# Altium PCB LimeSDR_1v2.PcbDoc (part 4 of 9) (continued)
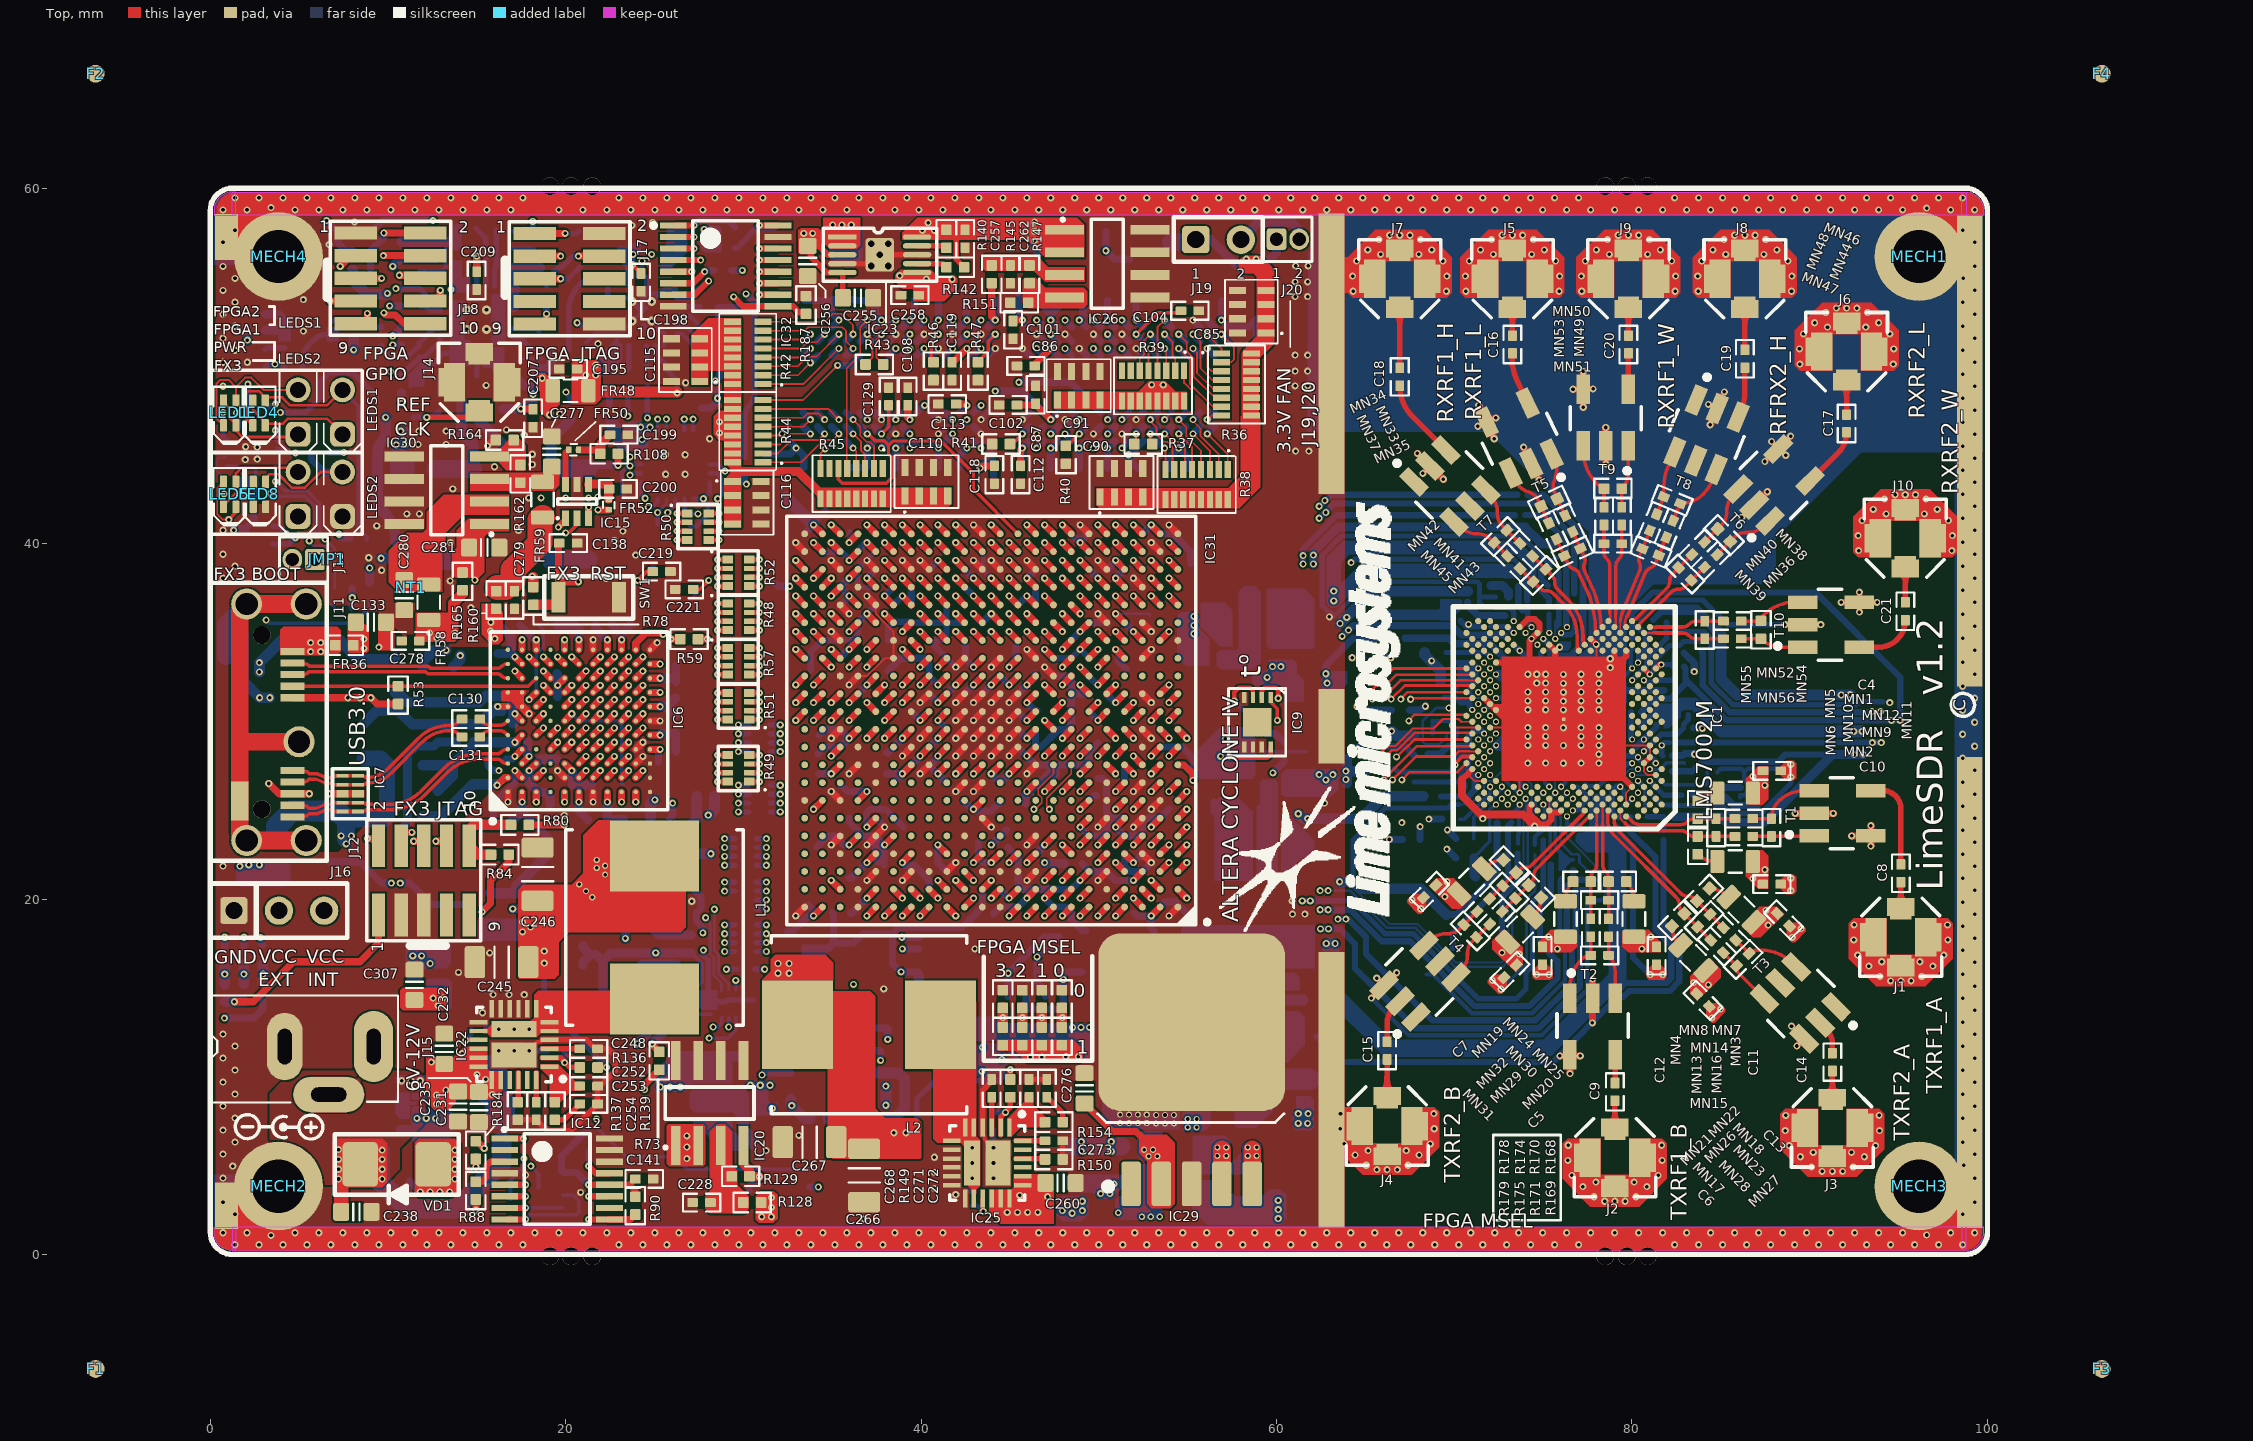
[diagram p0: Top view]
## Nets (pads, with @x,y where several pads share a name; then routed paths per layer and width w, separated by ;. In a path a pad name is that pad's centre, name@x,y a point inside that pad or via, vN(x,y) a via of type N, cw(c..) or ccw(c..) an arc to the next point about the centre after c; other vN are vias at no path point) (continued)
FPGA_GPIO5: IC31.G3 J18.8 | length 88.6
  Top w0.4: J18.8@12.1,53.65 12.95,53.65 v1(12.95,54.25) ; v2(51.95,25.05) IC31.G3@52.45,25.55
  L9 w0.1: v1(12.95,54.25) 12.5,53.8 12.5,51.775 13.4,50.875 22.225,50.875 22.8,50.3 30.533,50.3 33.958,53.725 34.124,53.725 57.481,53.725 58.675,52.531 58.675,35.305 54.97,31.6 52.005,31.6 49.6,29.195 49.59,29.195 48.6,28.205 48.6,27.905 50.905,25.6 51.188,25.6 51.738,25.05 v2(51.95,25.05)
FPGA_GPIO6: IC31.F2 J18.9 | length 92.1
  Top w0.4: J18.9@8.2,52.375 8.65,52.375 8.85,52.575 v1(8.85,52.95) ; v2(52.95,24.05) IC31.F2@53.45,24.55
  L9 w0.1: v1(8.85,52.95) 9.175,52.625 11.367,52.625 13.342,50.65 22.025,50.65 22.575,50.1 30.616,50.1 34.041,53.525 57.399,53.525 58.475,52.449 58.475,35.388 55.487,32.4 51.805,32.4 48.3,28.895 48.3,27.205 48.9,26.605 49.183,26.605 50.388,25.4 51.105,25.4 52.455,24.05 v2(52.95,24.05)
FPGA_GPIO7: IC31.F1 J18.10 | length 92.7
  Top w0.4: v1(9.775,52.975) 9.9,52.85 10.425,52.85 10.9,52.375 J18.10@12.1,52.375 ; IC31.F1@54.45,24.55 v2(54.95,25.05)
  L9 w0.1: v1(9.775,52.975) 10.275,52.975 12.275,54.975 15.8,54.975 19.175,51.6 21.97,51.6 23.07,50.5 30.45,50.5 33.875,53.925 57.564,53.925 58.875,52.614 58.875,35.222 55.053,31.4 52.795,31.4 52.095,30.7 51.539,30.7 50.2,29.361 50.2,28.305 51.105,27.4 52.86,25.645 54.355,25.645 v2(54.95,25.05)
FPGA_I2C_SCL: IC31.H7 R72.2 | length 60.4
  Top w0.4: v2(47.95,26.05) IC31.H7@48.45,26.55
  L9 w0.1: v1(17.65,5.4) 17.075,5.975 17.075,6.758 19.642,9.325 23.722,9.325 24.572,10.175 27.492,10.175 34.725,17.408 34.725,19.083 33.4,20.408 33.4,23.05 31.725,24.725 31.725,26.545 31.93,26.75 32.589,26.75 34.6,28.761 34.6,29.195 34.805,29.4 35.475,29.4 35.675,29.6 36.439,29.6 37.6,30.761 37.6,31.195 37.805,31.4 38.095,31.4 38.345,31.15 38.345,30.716 39.661,29.4 40.095,29.4 40.3,29.195 40.3,26.875 40.775,26.4 45.1,26.4 45.9,25.6 46.578,25.6 46.778,25.4 47.3,25.4 v2(47.95,26.05)
  Bottom w0.2: R72.2@16.9,3.125 16.9,4.191 17.65,4.941 v1(17.65,5.4)
FPGA_I2C_SDA: IC31.J7 R70.2 | length 58.7
  Top w0.1: v2(47.225,25.05) 47.075,25.2 47.075,25.67 48.45,27.045 IC31.J7@48.45,27.55
  L9 w0.1: v1(18.05,4.975) 18.05,5.605 17.275,6.38 17.275,6.675 19.725,9.125 23.805,9.125 24.655,9.975 27.575,9.975 34.925,17.325 34.925,19.166 33.6,20.491 33.6,23.491 32.6,24.491 32.6,26.478 34.722,28.6 34.995,28.6 35.516,29.121 35.516,29.159 35.758,29.4 36.522,29.4 37.722,30.6 38.178,30.6 39.5,29.278 39.5,26.983 40.858,25.625 43.2,25.625 43.425,25.4 46.495,25.4 46.845,25.05 v2(47.225,25.05)
  Bottom w0.2: v1(18.05,4.975) 18.475,4.55 R70.2@18.475,3.75
FPGA_JTAG_TCK: IC31.L2 J17.1 R180.1 | length 77.1
  Top w0.4: J17.1@18.525,57.45 v1(19.975,57.45) ; IC31.L2@53.45,29.55 v2(53.95,29.05)
  L9 w0.1: v1(19.975,57.45) 20.075,57.35 20.075,56.03 19.325,55.28 19.325,54.8 19.575,54.55 20.442,54.55 23.492,51.5 30.036,51.5 33.461,54.925 33.626,54.925 37.55,54.925 38.129,54.925 38.629,55.425 42.033,55.425 42.508,54.95 57.953,54.95 59.875,53.028 59.875,34.808 54.75,29.683 54.75,29.675 54.125,29.05 v2(53.95,29.05)
  Bottom w0.3: v1(19.975,57.45) 20.625,57.45 R180.1@20.75,57.575
FPGA_JTAG_TDI: IC31.L5 J17.9 R177.1 | length 73.9
  Top w0.4: J17.9@18.925,52.55 v1(18.925,52.925) ; IC31.L5@50.45,29.55 v2(50.95,29.05)
  L9 w0.1: v1(18.925,52.925) 21.501,52.925 23.326,51.1 30.201,51.1 33.626,54.525 57.813,54.525 59.475,52.863 59.475,34.974 54.35,29.849 54.35,29.841 54.109,29.6 52.375,29.6 52.2,29.425 51.325,29.425 v2(50.95,29.05)
  Bottom w0.4: v1(18.925,52.925) R177.1@18.925,53.5
FPGA_JTAG_TDO: IC31.L4 J17.3 | length 76.6
  Top w0.4: J17.3@18.275,56.175 v1(19.725,56.175) ; IC31.L4@51.45,29.55 v2(51.95,29.05)
  L9 w0.1: v1(19.725,56.175) 19.125,55.575 19.125,54.717 19.492,54.35 20.359,54.35 23.409,51.3 30.119,51.3 33.544,54.725 38.875,54.725 39.655,54.725 40.155,55.225 41.95,55.225 42.425,54.75 57.871,54.75 59.675,52.946 59.675,34.891 54.55,29.766 54.55,29.758 54.192,29.4 52.458,29.4 52.108,29.05 v2(51.95,29.05)
FPGA_JTAG_TMS: IC31.L1 J17.5 R176.1 | length 75.5
  Top w0.4: J17.5@18.275,54.9 v1(19.725,54.9) ; IC31.L1@54.45,29.55 v2(54.95,29.05)
  L9 w0.1: v1(19.725,54.9) 20.375,54.9 23.575,51.7 29.953,51.7 35.608,57.355 38.349,57.355 40.079,55.625 42.116,55.625 42.591,55.15 58.036,55.15 60.075,53.111 60.075,34.725 54.95,29.6 v2(54.95,29.05)
  Bottom w0.3: v1(19.725,54.9) 20.15,54.9 R176.1@20.8,55.55
FPGA_LED1_G: IC31.D2 R126.1 | length 72.9
  Top w0.4: IC31.D2@53.45,22.55 v2(53.95,23.05)
  L8 w0.1: v1(4.8,40.325) 4.525,40.05 4.075,40.05 3.65,39.625 3.65,38.608 4.333,37.925 7.979,37.925 15.8,30.104 15.8,25.913 18.188,23.525 22.449,23.525 23.6,22.374 23.6,20.467 29.567,14.5 38.6,14.5 43.575,19.475 43.575,20.18 45.795,22.4 46.805,22.4 48.03,23.625 53.375,23.625 v2(53.95,23.05)
  Bottom w0.2: R126.1@3.525,39.975 R126.1@3.525,40.05
  Bottom w0.3: R126.1@3.525,39.975 4.45,39.975 v1(4.8,40.325)
FPGA_LED1_R: IC31.E3 LED1.2 LED1.3 LEDS1.K1 | length 82.6
  Top w0.15: LED1.2@0.75,48.05 0.75,47.957 1.1,47.607 1.1,47.068 1.45,46.718 LED1.3@1.45,46.65 1.45,46.35 1.8,46 4.8,46 LEDS1.K1@4.95,46.15
  Top w0.4: v2(51.95,23.05) IC31.E3@52.45,23.55
  L8 w0.1: LEDS1.K1@4.95,46.125 5.8,45.275 5.8,43.673 5.302,43.175 4.625,43.175 3.25,41.8 3.25,38.442 4.157,37.535 4.157,32.624 6.031,30.75 10.397,30.75 18.022,23.125 22.283,23.125 23.2,22.208 23.2,20.301 29.401,14.1 38.778,14.1 44.5,19.822 44.5,20.192 45.783,21.475 47.35,21.475 48.575,22.7 51.6,22.7 v2(51.95,23.05)
FPGA_LED2_G: IC31.J4 R127.1 | length 76.2
  Top w0.4: IC31.J4@51.45,27.55 v2(51.95,27.05)
  L8 w0.1: v1(7.25,40.525) 7.043,40.525 6.768,40.8 5.65,40.8 5.225,40.375 5.225,40.1 4.975,39.85 4.158,39.85 3.85,39.542 3.85,38.691 4.403,38.138 8.049,38.138 16.725,29.462 16.725,27.15 17.1,26.775 17.1,24.896 18.271,23.725 22.532,23.725 23.8,22.457 23.8,20.55 29.65,14.7 36.225,14.7 36.55,15.025 36.55,19.145 36.805,19.4 37.125,19.4 38.325,20.6 39.392,20.6 45.192,26.4 47.805,26.4 48.805,27.4 49.095,27.4 49.87,26.625 51.525,26.625 v2(51.95,27.05)
  Bottom w0.4: v1@7.25,40.475 7.4,40.325 R127.1@7.875,40.325
FPGA_LED2_R: IC31.E1 LED4.2 LED4.3 LEDS1.K2 | length 90.4
  Top w0.15: LED4.2@2.4,48.05 2.4,47.55 3.1,46.85 LED4.3@3.1,46.75 ; LED4.3@3.1,46.65 LED4.3@3.1,46.75 ; LEDS1.K2@7.45,46.15 6.575,47.025 4.383,47.025 4.108,46.75 LED4.3@3.1,46.75
  Top w0.4: IC31.E1@54.45,23.55 v2(54.95,24.05)
  L8 w0.1: LEDS1.K2@7.45,46.125 6.55,47.025 4.378,47.025 4.178,46.825 4.175,46.825 4.025,46.675 4.025,42.9 3.05,41.925 3.05,38.359 3.957,37.452 3.957,32.541 5.949,30.55 10.314,30.55 17.939,22.925 22.2,22.925 23,22.125 23,20.219 29.319,13.9 38.861,13.9 44.586,19.625 45.03,19.625 45.805,20.4 46.795,20.4 48.795,22.4 51.805,22.4 52.005,22.6 53.995,22.6 54.95,23.555 v2(54.95,24.05)
FPGA_NCONFIG: IC31.K5 R66.2 R67.2 | length 149.6
  Top w0.4: v2(49.95,28.05) IC31.K5@50.45,28.55
  L9 w0.1: v1(1.9,15.775) 1.926,15.775 5.025,18.874 5.025,19.875 3.947,20.953 3.947,23.691 4.425,24.169 4.425,26.775 6.032,28.382 6.032,29.28 4.112,31.2 4.112,37.966 3.85,38.228 3.85,42.175 4.65,42.975 5.385,42.975 6,43.59 6,46.79 5.59,47.2 5.175,47.2 4.075,48.3 4.075,48.977 6,50.902 6,53.992 6.975,54.967 6.975,55.745 7.78,56.55 18.558,56.55 19.808,57.8 20.12,57.8 20.325,57.595 20.325,55.233 23.658,51.9 29.87,51.9 35.525,57.555 38.432,57.555 40.162,55.825 42.199,55.825 42.674,55.35 58.119,55.35 60.275,53.194 60.275,35.459 61.05,34.684 61.05,30.525 55.125,24.6 54.8,24.6 53.955,25.445 52.333,25.445 52.178,25.6 51.754,25.6 51.5,25.854 51.5,26.278 51.178,26.6 50.683,26.6 49.95,27.333 v2(49.95,28.05)
  Bottom w0.6: R66.2@1.9,15.25 R67.2@1.9,16.3
FPGA_NSTATUS: IC31.K6 R65.2 R68.2 | length 152
  Top w0.4: v2(48.95,28.05) IC31.K6@49.4,28.5
  L9 w0.1: v1(0.825,15.775) 2.326,17.276 3.144,17.276 4.825,18.956 4.825,19.792 3.747,20.87 3.747,23.774 4.225,24.251 4.225,28.083 3.912,28.395 3.912,37.883 3.65,38.145 3.65,42.258 4.567,43.175 5.302,43.175 5.8,43.673 5.8,46.707 5.507,47 5.092,47 3.875,48.217 3.875,49.06 5.8,50.985 5.8,54.075 6.775,55.05 6.775,55.828 7.697,56.75 18.475,56.75 19.725,58 20.203,58 21.075,57.128 21.075,54.766 22.928,52.913 23.916,52.913 24.15,52.678 24.15,52.475 24.525,52.1 29.787,52.1 34.675,56.988 34.675,58.07 34.88,58.275 36.22,58.275 36.74,57.755 38.515,57.755 40.245,56.025 42.281,56.025 42.756,55.55 58.202,55.55 60.475,53.277 60.475,35.542 61.25,34.767 61.25,30.442 55.208,24.4 52.883,24.4 52.3,24.983 52.3,25.195 52.095,25.4 51.671,25.4 51.3,25.771 51.3,26.195 51.095,26.4 50.6,26.4 v2(48.95,28.05)
  Bottom w0.6: R65.2@0.825,15.225 R68.2@0.825,16.3
FPGA_SPI0_LMS_SS: IC31.D10 R10.2 | length 23.4
  Top w0.4: v2(44.95,22.05) IC31.D10@45.45,22.55
  L10 w0.1: v2(44.95,22.05) 45.4,22.5 47.895,22.5 48.795,23.4 66.3,23.4 v1(66.35,23.35)
  Bottom w0.4: v1(66.35,23.35) R10.2@67.075,23.35
FPGA_SPI0_MISO: IC31.C8 R13.2 | length 26.4
  Top w0.4: v2(46.95,21.05) IC31.C8@47.45,21.55
  L10 w0.1: v2(46.95,21.05) 47.3,21.4 55.125,21.4 55.85,22.125 69.395,22.125 69.975,22.705 69.975,23.525 v1(69.612,23.888)
  Bottom w0.4: v1(69.612,23.888) R13.2@70.1,23.4
FPGA_SPI0_MOSI: IC31.D7 R12.2 | length 22.7
  Top w0.4: v2(47.95,23.05) IC31.D7@48.45,22.55
  L10 w0.1: v2(47.95,23.05) 48.6,23.7 67.2,23.7 68,24.5 v1(68.575,24.5)
  Bottom w0.4: v1(68.575,24.5) R12.2@69.3,24.5
FPGA_SPI0_SCLK: IC31.E6 R11.2 | length 22.3
  Top w0.4: v2(48.95,23.05) IC31.E6@49.45,23.55
  L10 w0.1: v2(48.95,23.05) 49.35,22.65 69.425,22.65 v1(69.587,22.813)
  Bottom w0.4: v1(69.587,22.813) R11.2@70.1,22.3
FPGA_SPI1_ADF_SS: IC31.J5 R121.1 | length 74.4
  Top w0.4: IC31.J5@50.45,27.55 v2(50.95,27.05)
  L8 w0.1: v1(10.1,53.375) 10.925,52.55 10.925,49.775 9.525,48.375 9.525,45.883 13.483,41.925 20.15,41.925 21.325,43.1 27.505,43.1 28.83,44.425 29.918,44.425 33.643,40.7 34.125,40.7 34.55,40.275 34.55,39.85 34.8,39.6 35.178,39.6 35.6,39.178 35.6,38.905 36.35,38.155 36.35,35.45 39.125,32.675 54.225,32.675 54.55,32.35 54.55,29.725 54.25,29.425 53.8,29.425 53.6,29.225 53.6,28.725 53.275,28.4 52.805,28.4 52.6,28.195 52.6,27.905 53.3,27.205 53.3,26.905 53.095,26.7 52.795,26.7 52.095,27.4 51.3,27.4 v2(50.95,27.05)
  Bottom w0.4: v1(10.1,53.375) R121.1@10.775,53.375
FPGA_SPI1_DAC_SS: IC15.1 IC31.J3 | length 63.9
  Top w0.4: v1(19.6,40.925) 20,41.325 IC15.1@20,41.425 ; v1(51.95,28.05) IC31.J3@52.45,27.55
  L8 w0.1: v1(19.6,40.925) 19.2,40.525 19.2,31.067 19.5,30.767 19.5,30.275 19.2,29.975 19.2,29.48 19.505,29.175 19.695,29.175 19.9,28.97 19.9,27.08 19.6,26.78 19.6,25.314 19.805,25.109 20.011,25.109 21.195,23.925 22.615,23.925 24,22.54 24,20.633 27.158,17.475 27.895,17.475 28.97,16.4 29.195,16.4 30.695,14.9 35.133,14.9 35.85,15.617 35.85,19.792 36.558,20.5 37.622,20.5 38.822,21.7 39.105,21.7 44.805,27.4 45.805,27.4 46.805,28.4 51.6,28.4 v1(51.95,28.05)
FPGA_SPI1_MOSI: IC15.3 IC31.L8 R120.1 | length 50.6
  Top w0.4: IC15.3@21.3,41.4 IC15.3@21.3,41.425 v1(21.3,42.05) ; v2(46.95,30.05) IC31.L8@47.45,29.55
  L9 w0.1: v1(10.275,51.675) 14.825,47.125 17.508,47.125 19.875,44.758 19.875,43.475 v1(21.3,42.05) 21.3,39.85 23.95,37.2 31.305,37.2 32.905,35.6 36.25,35.6 37.65,34.2 37.65,33.55 38.6,32.6 38.6,31.905 39.005,31.5 44.995,31.5 46.445,30.05 v2(46.95,30.05)
  Bottom w0.4: v1(10.275,51.675) 10.775,52.175 R120.1@10.775,52.275
FPGA_SPI1_SCLK: IC15.2 IC31.K8 R119.1 | length 58
  Top w0.2: v1@20.05,40.625 20.2,40.625 20.65,41.075 IC15.2@20.65,41.425
  Top w0.4: v2(46.95,28.05) IC31.K8@47.45,28.55
  L9 w0.1: v1(10.275,51.175) 14.525,46.925 17.425,46.925 19.65,44.7 19.65,42.4 20,42.05 v1(20,40.6) 20.3,40.6 21.1,39.8 21.1,39.767 23.892,36.975 28.695,36.975 28.925,36.745 28.925,35.35 29.6,34.675 36.892,34.675 37.45,34.117 37.45,33.467 38.4,32.517 38.4,31.378 38.545,31.233 38.545,30.799 39.743,29.6 40.178,29.6 40.5,29.278 40.5,26.958 40.858,26.6 45.905,26.6 46.805,25.7 47.095,25.7 47.3,25.905 47.3,26.5 47.15,26.65 47.15,27.85 v2(46.95,28.05)
  Bottom w0.4: v1(10.275,51.175) R119.1@10.775,51.175
FPGA_UART_RX: IC31.J1 R71.2 | length 41.2
  Top w0.4: IC31.J1@54.45,27.55 54.8,27.55 55.3,27.05 v2(55.3,26.675)
  L10 w0.1: v1(27.725,18.1) 27.375,17.75 27.375,17.005 30.18,14.2 36.445,14.2 42.845,20.6 44.1,20.6 44.55,21.05 44.55,22.145 45.105,22.7 47.105,22.7 48.805,24.4 49.095,24.4 53.805,24.4 55.3,25.895 v2(55.3,26.675)
  Bottom w0.4: R71.2@27.025,20.725 27.625,20.125 27.625,19.475 27.359,19.209 27.359,18.759 27.725,18.393 v1(27.725,18.1)
FPGA_UART_TX: IC31.J8 R73.2 | length 47.5
  Top w0.1: v2(46.35,25.05) 46.431,25.05 46.79,25.409 46.79,25.715 46.6,25.905 46.6,26.195 47.45,27.045 IC31.J8@47.45,27.55
  Top w0.4: v2(24.45,9.275) 24.45,9.575 R73.2@25.275,10.4
  L9 w0.1: v2(24.45,9.275) 24.95,9.775 27.658,9.775 35.125,17.242 35.125,19.249 33.8,20.574 33.8,23.574 32.8,24.574 32.8,26.395 34.805,28.4 35.795,28.4 36.135,28.74 36.145,28.74 37.805,30.4 38.095,30.4 39.3,29.195 39.3,26.9 40.775,25.425 43.117,25.425 43.492,25.05 v2(46.35,25.05)
FX3_CTL0: IC31.L6 R60.2 | length 28
  Top w0.4: v2(48.95,29.05) IC31.L6@49.45,29.55
  L8 w0.1: v1(31.2,16.05) 31.2,15.475 31.575,15.1 35.05,15.1 35.65,15.7 35.65,19.875 36.475,20.7 37.105,20.7 38.805,22.4 44.905,28.5 46.325,28.5 46.525,28.7 48.6,28.7 v2(48.95,29.05)
  Bottom w0.3: R60.2@30.625,16.05 v1(31.2,16.05)
FX3_CTL1: IC31.L7 R61.2 | length 27.4
  Top w0.4: v2(47.95,29.05) IC31.L7@48.45,29.55
  L8 w0.1: v1(31.3,17.05) 31.575,16.775 31.575,15.625 31.825,15.375 34.875,15.375 35.15,15.65 35.15,19.755 44.095,28.7 46.175,28.7 46.525,29.05 v2(47.95,29.05)
  Bottom w0.3: R61.2@30.725,17.05 v1(31.3,17.05)
FX3_CTL2: IC31.M1 R61.4 | length 29.3
  Top w0.4: v2(53.95,30.05) IC31.M1@54.45,30.55
  L8 w0.1: v1(31.3,17.55) 32.228,17.55 33.5,18.822 33.5,19.095 43.805,29.4 52.9,29.4 53.55,30.05 v2(53.95,30.05)
  Bottom w0.3: R61.4@30.725,17.55 v1(31.3,17.55)
FX3_CTL3: IC31.M2 R61.6 | length 28.7
  Top w0.4: v2(52.95,30.05) IC31.M2@53.45,30.55
  L8 w0.1: v1(31.3,18.05) 32.445,18.05 33.3,18.905 33.3,19.9 43,29.6 52.8,29.6 52.95,29.75 v2(52.95,30.05)
  Bottom w0.3: R61.6@30.725,18.05 v1(31.3,18.05)
FX3_CTL4: IC31.M3 R61.8 | length 27.9
  Top w0.4: v2(51.95,30.05) IC31.M3@52.45,30.55
  L8 w0.1: v1(31.3,18.55) 32.237,18.55 32.55,18.862 32.55,20.145 42.805,30.4 49.625,30.4 50.095,30.4 50.695,29.8 51.7,29.8 v2(51.95,30.05)
  Bottom w0.3: R61.8@30.725,18.55 v1(31.3,18.55)
FX3_CTL5: IC31.M4 R62.2 | length 27.6
  Top w0.4: IC31.M4@51.45,30.55 v2(51.95,31.05)
  L8 w0.1: v1(31.3,21.9) 31.583,21.9 36.5,26.817 36.5,29.095 39.105,31.7 51.3,31.7 v2(51.95,31.05)
  Bottom w0.3: R62.2@30.725,21.9 v1(31.3,21.9)
FX3_CTL6: IC31.M6 R62.4 | length 27.9
  Top w0.4: IC31.M6@49.45,30.55 v2(49.95,31.05)
  L4 w0.1: v1(31.3,22.4) 31.075,22.625 30.425,22.625 30.15,22.35 30.15,21.575 30.425,21.3 31.445,21.3 32.095,20.65 34.045,20.65 42.095,28.7 46.812,28.7 47.812,29.7 48.35,29.7 48.85,30.2 49.1,30.2 v2(49.95,31.05)
  Bottom w0.3: R62.4@30.725,22.4 v1(31.3,22.4)
FX3_CTL7: IC31.M7 R62.6 | length 27.5
  Top w0.4: v2(47.95,30.05) IC31.M7@48.45,30.55
  L4 w0.1: v1(31.3,22.9) 31.675,22.525 31.7,22.525 32.1,22.525 cw(c32.1,22.125) 32.5,22.125 32.5,21.798 ccw(c32.9,21.798) 32.9,21.398 ccw(c32.9,21.798) 33.3,21.798 33.3,22.125 cw(c33.7,22.125) 33.7,22.525 34.93,22.525 44.105,31.7 44.2,31.7 44.775,31.7 45.175,31.7 cw(c45.175,31.3) 45.575,31.3 45.575,30.8 ccw(c45.975,30.8) 45.975,30.4 ccw(c45.975,30.8) 46.375,30.8 46.375,31.3 cw(c46.775,31.3) 46.775,31.7 47.375,31.7 47.6,31.475 47.6,31.205 47.075,30.68 47.075,30.425 47.6,29.9 47.8,29.9 v2(47.95,30.05)
  Bottom w0.3: R62.6@30.725,22.9 v1(31.3,22.9)
FX3_CTL8: IC31.M8 R62.8 | length 28.8
  Top w0.4: IC31.M8@47.45,30.55 v2(47.95,31.05)
  L4 w0.1: v1(31.3,23.4) 31.35,23.4 ccw(c31.35,23.8) 31.75,23.8 cw(c32.15,23.8) 32.15,24.2 cw(c32.15,23.8) 32.55,23.8 32.55,23.4 32.55,22.8 ccw(c32.95,22.8) 32.95,22.4 ccw(c32.95,22.8) 33.35,22.8 33.35,23 cw(c33.75,23) 33.75,23.4 34.795,23.4 44.095,32.7 47.805,32.7 48.6,31.905 49.3,31.205 49.3,30.683 49.017,30.4 48.225,30.4 47.95,30.675 v2(47.95,31.05)
  Bottom w0.3: R62.8@30.725,23.4 v1(31.3,23.4)
FX3_CTL9: IC31.N1 R63.2 | length 29.2
  Top w0.4: v2(53.95,31.05) IC31.N1@54.45,31.55
  L8 w0.1: v1(31.3,19.45) 31.875,20.025 31.875,20.47 42.005,30.6 49.753,30.6 50.178,30.6 50.378,30.4 53.3,30.4 v2(53.95,31.05)
  Bottom w0.3: R63.2@30.725,19.45 v1(31.3,19.45)
FX3_CTL10: IC31.N2 R63.4 | length 30.1
  Top w0.4: IC31.N2@53.45,31.55 v2(53.95,32.05)
  L8 w0.1: v1(31.3,19.95) 31.345,19.95 31.65,20.255 31.65,21.245 41.805,31.4 49.553,31.4 50.095,31.4 50.795,30.7 52.105,30.7 53.455,32.05 v2(53.95,32.05)
  Bottom w0.3: R63.4@30.725,19.95 v1(31.3,19.95)
FX3_CTL11: IC31.N5 R63.6 | length 27.7
  Top w0.4: IC31.N5@50.45,31.55 v2(50.95,32.05)
  L4 w0.1: v1(31.3,20.45) 34.855,20.45 40.005,25.6 40.9,25.6 41.175,25.6 cw(c41.175,25.2) 41.575,25.2 41.575,24.8 ccw(c41.975,24.8) 41.975,24.4 ccw(c41.975,24.8) 42.375,24.8 42.375,25.2 cw(c42.775,25.2) 42.775,25.6 43.995,25.6 44.3,25.905 47.895,29.5 48.433,29.5 48.908,29.975 49.37,29.975 50.3,30.905 50.3,31.4 v2(50.95,32.05)
  Bottom w0.3: R63.6@30.725,20.45 v1(31.3,20.45)
FX3_CTL12: IC31.N6 R63.8 | length 29.2
  Top w0.4: v2(48.95,32.05) IC31.N6@49.45,31.55
  L4 w0.1: v1(31.3,20.95) 30.4,20.95 29.95,21.4 29.95,24.1 30.25,24.4 34.805,24.4 43.805,33.4 48.095,33.4 48.3,33.195 48.3,32.7 v2(48.95,32.05)
  Bottom w0.3: R63.8@30.725,20.95 v1(31.3,20.95)
FX3_DQ0: IC31.M19 R48.2 | length 12.3
  Top w0.3: R48.2@30.325,36.625 v1(30.9,36.625)
  Top w0.4: v2(35.95,30.05) IC31.M19@36.45,30.55
  L3 w0.1: v1(30.9,36.625) 34.87,36.625 35.575,35.92 35.575,30.425 v2(35.95,30.05)
FX3_DQ1: IC31.AA21 R48.4 | length 11.5
  Top w0.3: R48.4@30.325,36.125 v1(30.9,36.125)
  Top w0.4: v2(33.95,40.05) IC31.AA21@34.45,39.55
  L8 w0.1: v1(30.9,36.125) 32.325,34.7 34.095,34.7 35.3,35.905 35.3,38.205 33.95,39.555 v2(33.95,40.05)
FX3_DQ2: IC31.Y22 R48.6 | length 12
  Top w0.3: R48.6@30.325,35.625 v1(30.9,35.625)
  Top w0.4: v2(32.95,39.05) IC31.Y22@33.45,38.55
  L4 w0.1: v1@30.925,35.65 31.25,35.325 31.25,34.583 32.358,33.475 33.975,33.475 34.4,33.9 34.4,37.095 33.575,37.92 33.575,38.425 v2(32.95,39.05)
FX3_DQ3: IC31.Y21 R48.8 | length 12
  Top w0.3: R48.8@30.325,35.125 v1(30.9,35.125)
  Top w0.4: v2(33.95,38.05) IC31.Y21@34.45,38.55
  L4 w0.1: v1(30.9,35.125) 30.9,34.65 32.925,32.625 34.45,32.625 34.6,32.775 34.6,37.622 34.172,38.05 v2(33.95,38.05)
FX3_DQ4: IC31.W22 R50.2 | length 11.1
  Top w0.3: R50.2@28.05,41.7 v1(28.625,41.7)
  Top w0.4: v2(32.95,38.05) IC31.W22@33.45,37.55
  L8 w0.1: v1(28.625,41.7) 28.275,41.35 28.275,40.055 28.48,39.85 28.77,39.85 30.47,41.55 31.375,41.55 32.4,40.525 32.4,38.6 v2(32.95,38.05)
FX3_DQ5: IC31.W21 R50.4 | length 11.3
  Top w0.3: R50.4@28.05,41.2 v1(28.625,41.2)
  Top w0.4: IC31.W21@34.45,37.55 v2(34.95,38.05)
  L8 w0.1: v1(28.625,41.2) 28.625,41.205 28.975,41.555 28.975,42.475 29.375,42.875 30.903,42.875 33.6,40.178 33.6,39.4 v2(34.95,38.05)
FX3_DQ6: IC31.W20 R50.6 | length 11.1
  Top w0.3: R50.6@28.05,40.7 v1(28.625,40.7)
  Top w0.4: v2(34.95,37.05) IC31.W20@35.45,37.55
  L8 w0.1: v1(28.625,40.7) 29.925,42 31.495,42 33.4,40.095 33.4,39.095 34.95,37.545 v2(34.95,37.05)
FX3_DQ7: IC31.V22 R50.8 | length 11.1
  Top w0.3: R50.8@28.05,40.2 v1(28.625,40.2)
  Top w0.4: v2(32.95,37.05) IC31.V22@33.45,36.55
  L8 w0.1: v1(28.625,40.2) 28.625,40.205 30.22,41.8 31.408,41.8 32.6,40.608 32.6,38.895 33.625,37.87 33.625,37.22 33.6,37.195 33.6,37.175 33.325,36.9 33.1,36.9 v2(32.95,37.05)
FX3_DQ8: IC31.V21 R52.2 | length 11.1
  Top w0.3: R52.2@30.325,39.1 v1(30.9,39.1)
  Top w0.4: v2(33.95,37.05) IC31.V21@34.45,36.55
  L8 w0.1: v1(30.9,39.1) 30.175,39.825 30.175,40.875 30.525,41.225 31.417,41.225 32.2,40.442 32.2,37.305 32.805,36.7 33.6,36.7 v2(33.95,37.05)
FX3_DQ9: IC31.U22 R52.4 | length 11.1
  Top w0.3: R52.4@30.325,38.6 v1(30.9,38.6)
  Top w0.4: v2(32.95,36.05) IC31.U22@33.45,35.55
  L8 w0.1: v1(30.9,38.6) 30.9,38.595 30.55,38.245 30.55,37.942 28.9,36.292 28.9,35.6 29.175,35.325 30.4,35.325 30.55,35.475 30.55,36.77 30.755,36.975 31.964,36.975 32.889,36.05 v2(32.95,36.05)
FX3_DQ10: IC31.U21 R52.6 | length 11.3
  Top w0.3: R52.6@30.325,38.1 v1(30.9,38.1)
  Top w0.4: v2(33.95,36.05) IC31.U21@34.45,35.55
  L8 w0.1: v1(30.9,38.1) 30.9,38.105 31.25,38.455 31.25,39.25 30.4,40.1 30.4,40.35 30.65,40.6 31.575,40.6 32,40.175 32,37.222 32.822,36.4 33.095,36.4 33.445,36.05 v2(33.95,36.05)
FX3_DQ11: IC31.U20 R52.8 | length 11.1
  Top w0.3: R52.8@30.325,37.6 v1(30.9,37.6)
  Top w0.4: v2(34.95,36.05) IC31.U20@35.45,35.55
  L9 w0.1: v1(30.9,37.6) 31.4,38.1 31.4,38.975 31.6,39.175 32.3,39.175 32.775,38.7 34.795,38.7 36.55,36.945 36.55,36.725 36.3,36.475 35.375,36.475 v2(34.95,36.05)
FX3_DQ12: IC31.U19 R57.2 | length 12.2
  Top w0.3: R57.2@30.325,34.125 v1(30.9,34.125)
  Top w0.4: v2(35.95,35.05) IC31.U19@36.45,35.55
  L4 w0.1: v1(30.9,34.125) 31.25,33.775 31.25,32.7 31.525,32.425 34.83,32.425 36.005,33.6 37.25,33.6 37.45,33.8 37.45,34.525 37.275,34.7 36.3,34.7 v2(35.95,35.05)
FX3_DQ13: IC31.M22 R57.4 | length 11.1
  Top w0.3: R57.4@30.325,33.625 v1(30.9,33.625)
  Top w0.4: v2(32.95,30.05) IC31.M22@33.45,30.55
  L8 w0.1: v1(30.9,33.625) 29.8,33.625 28.9,32.725 28.9,31.225 29.525,30.6 29.9,30.6 30.45,31.15 30.45,31.725 30.675,31.95 31.05,31.95 v2(32.95,30.05)
FX3_DQ14: IC31.M21 R57.6 | length 11.3
  Top w0.3: R57.6@30.325,33.125 v1(30.9,33.125)
  Top w0.4: v2(33.95,30.05) IC31.M21@34.45,30.55
  L8 w0.1: v1(30.9,33.125) 30.9,33.12 30.55,32.77 30.55,32.48 30.755,32.275 32.22,32.275 32.345,32.4 35.325,32.4 35.575,32.15 35.575,31.65 35.325,31.4 33.805,31.4 33.6,31.195 33.6,30.4 v2(33.95,30.05)
FX3_DQ15: IC31.R22 R57.8 | length 11.1
  Top w0.3: R57.8@30.325,32.625 v1(30.9,32.625)
  Top w0.4: v2(32.95,34.05) IC31.R22@33.45,33.55
  L8 w0.1: v1(30.9,32.625) 36.125,32.625 36.4,32.9 36.4,33.35 36.05,33.7 33.3,33.7 v2(32.95,34.05)
FX3_DQ16: IC31.R21 R49.1 | length 11
  Top w0.3: R49.1@30.325,26.6 v1(30.9,26.6)
  Top w0.4: IC31.R21@34.45,33.55 v2(34.95,33.05)
  L9 w0.1: v1(30.9,26.6) 32.425,28.125 32.425,29.945 31.925,30.445 31.925,31.237 32.288,31.6 32.825,31.6 33.025,31.4 33.825,31.4 34.6,32.175 34.6,32.7 v2(34.95,33.05)
FX3_DQ17: IC31.R20 R49.3 | length 11.1
  Top w0.3: R49.3@30.325,27.1 v1(30.9,27.1)
  Top w0.4: v2(34.95,34.05) IC31.R20@35.45,33.55
  L9 w0.1: v1(30.9,27.1) 30.55,27.45 30.55,28.245 31.325,29.02 31.325,31.92 33.455,34.05 v2(34.95,34.05)
FX3_DQ18: IC31.R19 R49.5 | length 10.8
  Top w0.3: R49.5@30.325,27.6 v1(30.9,27.6)
  Top w0.4: v2(35.95,33.05) IC31.R19@36.45,33.55
  L9 w0.1: v1(30.9,27.6) 31.225,27.6 31.725,28.1 31.725,31.32 33.855,33.45 35.55,33.45 v2(35.95,33.05)
FX3_DQ19: IC31.R18 R49.7 | length 11.4
  Top w0.3: R49.7@30.325,28.1 v1(30.9,28.1)
  Top w0.4: v2(36.95,33.05) IC31.R18@37.45,33.55
  L9 w0.1: v1(30.9,28.1) 31.525,28.725 31.525,31.403 33.772,33.65 36.35,33.65 v2(36.95,33.05)
FX3_DQ20: IC31.P22 R51.1 | length 11.9
  Top w0.3: R51.1@30.325,30.1 v1(30.9,30.1)
  Top w0.4: v2(32.95,32.05) IC31.P22@33.45,32.55
  L4 w0.1: v1(30.9,30.1) 28.95,32.05 28.95,34 29.25,34.3 30.2,34.3 30.55,33.95 30.55,32.48 30.805,32.225 32.775,32.225 v2(32.95,32.05)
FX3_DQ21: IC31.P21 R51.3 | length 12.2
  Top w0.3: R51.3@30.325,30.6 v1(30.9,30.6)
  Top w0.4: v2(33.95,32.05) IC31.P21@34.45,32.55
  L3 w0.1: v1(30.9,30.6) 31.77,30.6 32.67,29.7 35.095,29.7 35.35,29.955 35.35,33.15 34.95,33.55 34.35,33.55 33.95,33.15 v2(33.95,32.05)
FX3_DQ22: IC31.M20 R51.5 | length 12
  Top w0.3: R51.5@30.325,31.1 v1(30.9,31.1)
  Top w0.4: v2(34.95,30.05) IC31.M20@35.45,30.55
  L4 w0.1: v1(30.9,31.1) 31.125,31.1 31.25,30.975 31.25,29.95 31.05,29.75 30.65,29.75 30.475,29.575 30.475,28.625 30.65,28.45 31.575,28.45 31.725,28.6 31.725,30.525 31.9,30.7 34.95,30.7 35.1,30.55 35.1,30.2 v2(34.95,30.05)
FX3_DQ23: IC31.P16 R51.7 | length 12.2
  Top w0.3: R51.7@30.325,31.6 v1(30.9,31.6)
  Top w0.4: v2(38.95,32.05) IC31.P16@39.45,32.55
  L4 w0.1: v1(30.9,31.6) 31,31.5 34.9,31.5 36.8,33.4 39.2,33.4 39.55,33.05 39.55,32.65 v2(38.95,32.05)
FX3_DQ24: IC31.P15 R55.1 | length 11.8
  Top w0.4: v2(39.95,32.05) IC31.P15@40.45,32.55
  L4 w0.1: v1(32.075,26.4) 34.795,26.4 39.3,30.905 39.3,31.4 v2(39.95,32.05)
  Bottom w0.3: R55.1@31.5,26.4 v1(32.075,26.4)
FX3_DQ25: IC31.N22 R55.3 | length 11.5
  Top w0.4: v2(32.95,31.05) IC31.N22@33.45,31.55
  L8 w0.1: v1(32.075,25.9) 31.825,25.65 30.65,25.65 30.1,26.2 30.1,27.795 30.675,28.37 30.675,29.325 31.5,30.15 32.22,30.15 32.67,29.7 33.095,29.7 33.3,29.905 33.3,30.7 v2(32.95,31.05)
  Bottom w0.3: R55.3@31.5,25.9 v1(32.075,25.9)
FX3_DQ26: IC31.N21 R55.5 | length 11.7
  Top w0.4: v2(33.95,31.05) IC31.N21@34.45,31.55
  L8 w0.1: v1(32.075,25.4) 32.425,25.75 32.425,26.7 ccw(c32.121,26.7) 32.121,27.004 31.713,27.004 cw(c31.713,27.308) 31.409,27.308 cw(c31.713,27.308) 31.713,27.612 32.425,27.612 33.137,27.612 ccw(c33.137,27.916) 33.441,27.916 ccw(c33.137,27.916) 33.137,28.22 32.729,28.22 cw(c32.729,28.524) 32.425,28.524 ; 32.425,28.525 32.425,28.747 33.378,29.7 34.105,29.7 34.3,29.895 34.3,30.7 v2(33.95,31.05)
  Bottom w0.3: R55.5@31.5,25.4 v1(32.075,25.4)
FX3_DQ27: IC31.N20 R55.7 | length 11.5
  Top w0.4: v2(34.95,31.05) IC31.N20@35.45,31.55
  L8 w0.1: v1(32.075,24.9) 32.275,24.7 34.1,24.7 36.3,26.9 36.3,30.195 35.445,31.05 v2(34.95,31.05)
  Bottom w0.3: R55.7@31.5,24.9 v1(32.075,24.9)
FX3_DQ28: IC31.N19 R58.1 | length 11.9
  Top w0.4: v2(35.95,31.05) IC31.N19@36.45,31.55
  L3 w0.1: v1(32.075,29.8) 32.375,29.5 37.95,29.5 38.3,29.85 38.3,31.225 37.95,31.575 36.475,31.575 v2(35.95,31.05)
  Bottom w0.3: R58.1@31.5,29.8 v1(32.075,29.8)
FX3_DQ29: IC31.N18 R58.3 | length 11.5
  Top w0.4: IC31.N18@37.45,31.55 v2(37.95,32.05)
  L4 w0.1: v1(32.075,29.3) 32.195,29.3 33.22,28.275 33.67,28.275 34.795,29.4 36.075,29.4 36.35,29.675 36.35,32.425 36.625,32.7 37.625,32.7 37.95,32.375 v2(37.95,32.05)
  Bottom w0.3: R58.3@31.5,29.3 v1(32.075,29.3)
FX3_DQ30: IC31.N17 R58.5 | length 11.5
  Top w0.4: v2(37.95,31.05) IC31.N17@38.45,31.55
  L4 w0.1: v1(32.075,28.8) 32.375,28.8 32.475,28.7 32.475,27.65 32.725,27.4 34.425,27.4 34.6,27.575 34.6,28.425 34.875,28.7 36.1,28.7 36.4,29 36.4,29.425 36.575,29.6 37.125,29.6 37.3,29.775 37.3,31 37.5,31.2 37.8,31.2 v2(37.95,31.05)
  Bottom w0.3: R58.5@31.5,28.8 v1(32.075,28.8)
FX3_DQ31: IC31.N16 R58.7 | length 11.6
  Top w0.4: v2(38.95,31.05) IC31.N16@39.45,31.55
  L4 w0.1: v1(32.075,28.3) 32.075,27.4 32.775,26.7 34.105,26.7 35.805,28.4 36.1,28.4 36.6,28.9 36.6,29.195 36.805,29.4 37.25,29.4 37.6,29.75 37.6,30.195 37.805,30.4 38.3,30.4 v2(38.95,31.05)
  Bottom w0.3: R58.7@31.5,28.3 v1(32.075,28.3)
FX3_FSLC0: IC6.B2 R83.2 | length 3.9
  Top w0.4: v2(17.15,27.225) IC6.B2@17.55,26.825
  Bottom w0.4: R83.2@15.95,24.35 15.95,25.366 16.543,25.959 16.559,25.959 17.15,26.55 v2(17.15,27.225)
FX3_FSLC1: IC6.B4 R86.2 | length 1.1
  Top w0.4: v2(17.15,28.025) IC6.B4@17.55,28.425
  Bottom w0.4: R86.2@16.646,27.875 17,27.875 v2(17.15,28.025)